# Altium PCB MercurialSDR.PcbDoc (part 1 of 6) (continued)
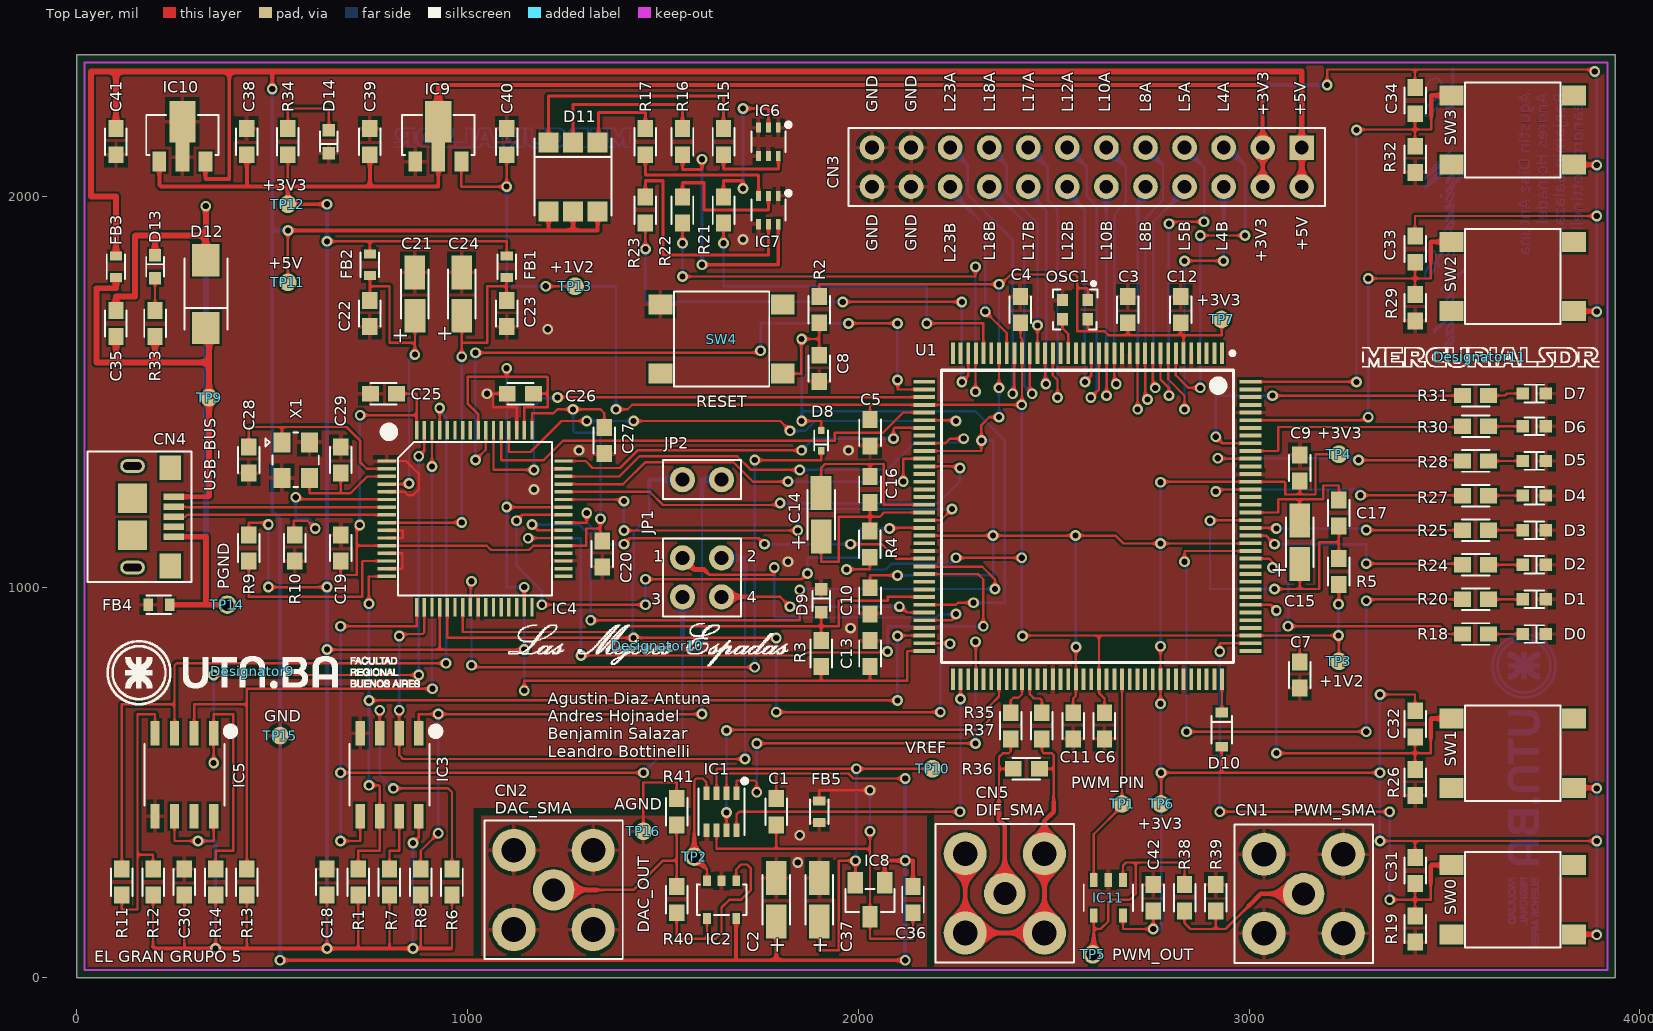
[diagram p0: Top Layer view]
## Nets (pads, with @x,y where several pads share a name; then routed paths per layer and width w, separated by ;. In a path a pad name is that pad's centre, name@x,y a point inside that pad or via, vN(x,y) a via of type N, cw(c..) or ccw(c..) an arc to the next point about the centre after c; other vN are vias at no path point)
+1V2: C4.1 C5.1 C6.1 C7.1 C40.1 IC9.3 R4.2 R5.1 TP3.1 TP13.1 U1.27 U1.40 U1.92 U1.111 | length 4902.2
  Top Layer w6: IC9.3@984.06,2088.82 984.06,2025.94 985,2025 v1(1100,2025) C40.1@1100,2106.54 ; v1(1200,1770) TP13.1@1275,1770 ; v1(1380,1455) 1410,1455 1421.54,1466.54 2031.54,1466.54 ; v1(1970,1045) 1970.6,1045.6 2029.4,1045.6 R4.2@2029.4,1076.54 ; C5.1@2030,1428.46 2030,1465 2031.54,1466.54 ; v1(2250,1075) v1(2418.46,1075) ; C4.1@2415,1676.54 2415,1640 2419.13,1635.87 U1.27@2419.13,1598.43 2419.13,1467.2 v1(2418.46,1466.54) U1.40@2169.13,1466.54 2031.54,1466.54 ; v1(2420,875) 2416.97,875 2415.98,875.98 U1.111@3003.77,875.98 3129.02,875.98 ; 2615.98,875.98 U1.92@2615.98,763.78 2615.98,729.02 2630,715 C6.1@2630,678.46 ; C7.1@3130,808.46 3130,875 3129.02,875.98 ; v1(3229.02,955.98) 3230,956.97 R5.1@3230,1006.54 ; TP3.1@3230,810 3230,875 v1(3229.02,875.98) 3129.02,875.98
  Bottom Layer w6: v1(1100,2025) 1100,1770 v1(1200,1770) 1380,1770 v1(1380,1455) ; v1(1970,1045) 2070,1045 2085,1060 2235,1060 v1(2250,1075) ; v1@2418.46,881.54 v1(2418.46,1075) v1(2418.46,1466.54) ; v1(3229.02,875.98) v1(3229.02,955.98)
+1V8: C19.1 C20.1 C25.1 C27.1 IC4.12 IC4.37 IC4.49 IC4.64 | length 2142.5
  Top Layer w6: C19.1@675,1066.54 675,1030 676.1,1031.1 716.1,1031.1 716.1,1106.1 ; v1(723.9,1158.9) 716.1,1158.9 716.1,1106.1 ; v1(725,1440) 869.46,1440 ; C25.1@818.46,1495 868.93,1495 869.46,1494.46 869.46,1440 ; IC4.64@869.46,1401.38 869.46,1440 ; IC4.49@1164.74,1401.38 1164.74,1445 1220,1445 1230,1455 v1(1270,1455) 1340,1455 1350,1445 C27.1@1350,1408.46 ; 1340,1150 1303.9,1150 1303.9,1106.1 IC4.37@1245.45,1106.1 1168.32,1106.1 1157.22,1095 1060,1095 1048.9,1106.1 IC4.12@792.69,1106.1 716.1,1106.1 ; v1(1340,1175) 1340,1128.46 C20.1@1350,1118.46
  Bottom Layer w6: v1(723.9,1158.9) 723.9,1438.9 v1(725,1440) ; v1(1270,1455) 1270,1400 1275,1395 1340,1395 v1(1340,1175)
+3V3: C3.1 C9.2 C10.2 C11.2 C12.2 C13.2 C18.2 C26.1 C30.1 C31.1 C32.1 C33.1 C34.1 C38.1 C39.1 C42.2 CN3.3 CN3.4 D10.1 FB1.1 FB2.1 IC3.8 IC4.20 IC4.31 IC4.42 IC4.50 IC4.56 IC5.6 IC5.8 IC9.2 IC10.1 IC11.5 OSC1.1 OSC1.4 R1.1 R2.1 R3.1 R6.1 R7.1 R8.2 R9.2 R12.2 R13.1 R14.1 R34.1 SW0.1 SW1.1 SW2.1 SW3.1 TP4.1 TP6.1 TP7.1 TP12.1 U1.6 U1.30 U1.46 U1.57 U1.72 U1.89 U1.100 U1.123 U1.131 | length 24985.6
  Top Layer w6: 195,80 R12.2@195,211.54 ; IC5.6@250,413.7 250,350 v1(310,350) 350,350 IC5.8@350,413.7 ; 275,75 C30.1@275,211.54 ; v1(355,75) R14.1@355,211.54 ; 435,75 R13.1@435,211.54 ; R9.2@440,1133.46 440,1165 485,1165 v1(490,1160) ; v1(490,1000) v1(640,1000) ; 540,2025 R34.1@540,2106.54 ; v1(640,75) C18.2@640,211.54 ; v1(640,840) 928.52,840 ; v1(640,1885) 750,1885 ; 720,75 R1.1@720,211.54 ; FB2.1@750,1852.56 750,1885 ; 800,75 R7.1@800,211.54 ; v1(860,345) 875,360 IC3.8@875,413.7 ; 880,75 R8.2@880,211.54 ; IC4.20@928.52,948.62 928.52,840 ; 957.5,75 960,77.5 R6.1@960,211.54 ; IC4.56@1026.94,1401.38 1026.94,1443.06 1000,1470 1000,1538.06 1203.06,1538.06 1204.95,1536.17 1204.95,1495 ; v1(1100,1205) 1100.47,1204.53 IC4.42@1245.45,1204.53 ; 1100,1538.06 v1(1100,1560) ; FB1.1@1100,1847.56 1100,1885 750,1885 ; v1(1145,735) 1145,760 1905,760 ; v1(1145,840) 928.52,840 ; IC4.31@1145,948.57 IC4.31@1145.05,948.62 v1(1145.05,999.95) ; IC4.50@1145.05,1401.38 1145.05,1460 1204.95,1460 1204.95,1495 ; C26.1@1168.46,1495 1204.95,1495 ; R2.1@1900,1743.46 1900,1775 v1(2360,1775) 2365,1775 2390,1800 2555,1800 2560,1795 2560,1765 ; R3.1@1905,796.54 1905,760 ; C13.2@2030,796.54 2030,760 ; C10.2@2030,998.46 2030,1030 v1(2100,1030) ; U1.72@2169.13,836.61 2126.61,836.61 2125,835 2125,760 2030,760 ; U1.57@2169.13,1131.89 v1(2345,1131.89) v1(2555.74,1131.89) 2658.11,1131.89 2678.46,1111.54 v1(2773.46,1111.54) 3003.11,1111.54 U1.123@3003.77,1112.2 ; U1.46@2169.13,1348.43 2315,1348.43 v1(2315,1375) 2315,1415 2335,1435 v1(2360,1435) ; v1(2360,1510) 2360,1598.35 U1.30@2360.07,1598.43 ; C11.2@2550.13,678.46 2550,678.59 2550,715 2556.92,721.92 U1.89@2556.92,763.78 v1(2556.92,846.92) ; OSC1.4@2587.48,1685.39 2587.48,1657.48 2585,1655 ; OSC1.1@2587.48,1734.61 2587.48,1762.52 2585,1765 2560,1765 ; IC11.5@2677.4,159.72 2677.4,125 v1(2755,125) C42.2@2755,171.54 ; C3.1@2690,1676.54 2690,1645 ; v1(2773.46,701.54) U1.100@2773.46,763.78 v1(2773.46,848.46) ; v1@2773.46,1269.68 U1.131@3003.77,1269.68 3090.32,1269.68 3092.8,1267.2 3092.8,1237.2 3130,1237.2 ; TP6.1@2775,450 v1(2775,525) 2930,525 ; 2825,1645 C12.2@2825,1676.54 ; U1.6@2832.51,1598.43 2832.51,1645 ; D10.1@2930,591.1 2930,525 ; TP7.1@2930,1685 2930,1645 2690,1645 ; C9.2@3130,1271.54 3130,1237.2 ; v1(3200,2285) 3200,2325 3425,2325 ; TP4.1@3230,1340 3170,1340 3170,1237.2 3130,1237.2 ; v1(3335,350) 3425,350 ; v1(3335,525) 2930,525 ; v1(3335,725) 3425,725 C32.1@3425,683.46 ; C31.1@3425,308.46 3425,350 ; C33.1@3425,1898.46 3425,1950 v1(3890,1950) ; C34.1@3425,2278.46 3425,2325 ; SW0.1@3831.5,111.42 SW0.1@3832.91,110 ; SW3.1@3831.5,2081.42 SW3.1@3832.91,2080 ; v1@3885,2325 3425,2325 ; v1@3888.58,485 v1(3890,485) ; v1@3888.58,1705 v1(3890,1705) ; v1(3890,350) 3425,350 ; 1905,760 2030,760 ; 2560,1765 2560,1655 2585,1655 ; 2585,1655 2630,1655 2640,1645 2690,1645
  Top Layer w10: 195,80 200,75 275,75 v1(355,75) 435,75 v1(640,75) 720,75 800,75 v1(860,75) 880,75 957.5,75 ; IC10.1@210.94,2088.82 210.94,2029.06 215,2025 540,2025 ; 435,2026.89 C38.1@435,2106.54 ; v1(640,1980) TP12.1@540,1980 540,2025 ; C39.1@750,2106.54 750,2025 ; IC9.2@925,2191.18 IC9.2@925,2100.63 925,2025 750,2025 ; 925,2260 925,2285 3035,2285 CN3.3@3035,2125 CN3.4@3035,2025 ; 540,2025 750,2025
  Top Layer w12: SW0.1@3831.5,111.42 v1@3888.58,111.42 ; SW1.1@3831.5,486.42 v1@3888.58,486.42 ; SW2.1@3831.5,1706.42 v1@3888.58,1706.42 ; SW3.1@3831.5,2081.42 v1@3888.58,2081.42
  Top Layer w20: IC9.2@925,2191.18 925,2260
  Bottom Layer w6: v1(490,1000) v1(490,1160) ; v1(860,75) v1(860,345) ; v1(1100,1560) v1(1100,1205) 1100,999.95 v1(1145.05,999.95) ; v1(1145,735) v1(1145,840) v1@1145,999.89 ; v1(2100,1030) 2345,1030 v1(2345,1131.89) 2345,1375 v1(2315,1375) ; v1(2360,1435) v1(2360,1510) v1(2360,1775) ; v1(2555.74,1131.89) 2556.92,1133.08 v1(2556.92,846.92) ; v1(2755,125) 2775,125 v1(2775,525) 2773.46,526.54 v1(2773.46,701.54) ; v1@2772.8,1112.2 v1(2773.46,1111.54) ; v1(2773.46,848.46) v1(2773.46,1111.54) ; v1(2773.46,1268.46) v1(2773.46,1111.54) ; v1(3335,350) v1(3335,525) v1(3335,725) ; v1(3885,2320) 3890,2325 v1(3890,2080) v1(3890,1950) v1(3890,1705) v1(3890,485) v1(3890,350) v1(3890,110)
  Bottom Layer w10: v1(310,350) 355,350 v1(355,75) ; v1(640,75) v1(640,840) v1(640,1000) v1(640,1885) v1(640,1980) ; CN3.3@3035,2125 3035,2285 v1(3200,2285)
+5V: C1.1 C2.1 C36.1 C41.1 CN3.1 CN3.2 D11.4 D11.5 D11.6 FB3.2 IC1.2 IC2.5 IC8.1 IC10.3 TP11.1 | length 10913.8
  Top Layer w6: TP11.1@540,1780 v1(540,1912.99) ; IC1.2@1662.8,472.24 1662.8,522.82 1790,522.82 ; C1.1@1790,458.46 1790,522.82 ; 1790,510 1790,522.82 ; v1(2120,510) 1987.78,510 1974.96,522.82 1790,522.82
  Top Layer w10: IC10.3@329.06,2088.82 329.06,2045.94 330,2045 390,2045 390,2320 ; v1(500,2275) 500,2320 ; v1(520,45) 1790,45 ; v1(540,1912.99) 1332.99,1912.99 D11.6@1332.99,1961.42 ; 1207.01,1915.98 D11.4@1207.01,1961.42 ; 1255.43,1912.99 1270,1912.99 D11.5@1270,1961.42 ; 1687.4,47.6 IC2.5@1687.4,151.77 ; C2.1@1790.2,144.49 1790,144.29 1790,45 ; IC8.1@2067.4,243.31 2067.4,292.4 2075,300 v1(2120,300) 2140,300 C36.1@2140,233.46 ; v1(2120,45) 1790,45
  Top Layer w15: FB3.2@100,1847.56 100,2000 35.88,2000 35.88,2320 100,2320 ; C41.1@100,2173.46 100,2320 ; CN3.2@3135,2025 CN3.1@3135,2125 3135,2320 500,2320 390,2320 100,2320
  Bottom Layer w10: v1(500,2275) 500,1915 ; v1(520,45) 520,1175 500,1195 500,1915 ; v1(540,1912.99) 502.01,1912.99 500,1915 ; v1(2120,45) v1(2120,300) v1(2120,510)
AGND: C2.2 C37.2 CN2.2 FB5.2 IC1.5 IC2.2 R41.2 TP16.1 | length 251.5
  Top Layer w6: TP16.1@1450,375 1450,500 1535,500 R41.2@1535,458.46
  other v1: 1845,295 1850,365
CDONE_S: D9.1 IC4.23 R3.2 U1.65 | length 1398.6
  Top Layer w6: IC4.23@987.57,948.62 987.57,885 1390,885 1405,900 1905,900 ; R3.2@1905,863.46 1905,900 ; D9.1@1905,935.47 1905,900 ; U1.65@2169.13,974.41 2168.54,975 2075,975 2075,965 1950,965 1950,900 1905,900
CS_S: IC4.21 JP2.2 U1.71 | length 2289.2
  Top Layer w6: IC4.21@948.2,948.62 948.2,870 v1(1425,870) v1(1790,870) ; v1(1790,680) v1(2210,680) ; U1.71@2169.13,856.3 v1@2233.7,856.3
  Bottom Layer w6: v1(1425,870) 1422.22,872.78 1422.22,1029.44 1425,1032.22 1425,1140.29 1465,1180.29 1465,1245 ; v1(1790,680) v1(1790,870) ; v1(2210,680) 2210,830 v1(2235,855)
  Bottom Layer w12: 1465,1245 1465,1275 JP2.2@1550,1275
DAC_DATA_IN: IC1.1 U1.76 | length 1147.1
  Top Layer w6: IC1.1@1688.39,472.24 1688.39,503.39 1690,505 1735,505 1740,500 v1(1740,475) ; v1@1745,600 v1(2300,600) ; v1(2300,860) 2301.02,858.98 U1.76@2301.02,763.78
  Bottom Layer w6: v1(1740,475) v1(1740,600) ; v1(2300,600) v1(2300,860)
DAC_OUT: IC1.4 IC2.3 TP2.1 | length 335.9
  Top Layer w6: 1580,360 1580,505 1585,510 1601.61,510 1611.61,500 IC1.4@1611.61,472.24 ; 1605,285 1612.6,277.4 IC2.3@1612.6,248.23
  Top Layer w12: 1580,360 TP2.1@1580,310 1605,285
DAC_SCLK: IC1.8 U1.74 | length 976.8
  Top Layer w6: IC1.8@1688.39,377.76 1688.39,418.39 1695,425 v1(2260,425) ; v1(2261.65,713.35) U1.74@2261.65,763.78 U1.74@2261.65,783.78
  Bottom Layer w6: v1(2260,425) 2261.65,426.65 v1(2261.65,713.35) v1@2260,711.7
DAC_SYNC: IC1.7 U1.79 | length 1052.7
  Top Layer w6: IC1.7@1662.8,377.76 v1(1662.8,422.8) ; v1(1662.8,632.8) 1665,635 2310,635 2335,660 2335,695 2360.07,720.07 U1.79@2360.07,763.78
  Bottom Layer w6: v1(1662.8,422.8) v1(1662.8,632.8)
GND: C1.2 C3.2 C4.2 C5.2 C6.2 C7.2 C8.2 C9.1 C10.1 C11.1 C12.1 C13.1 C18.1 C19.2 C20.2 C21.2 C22.2 C23.2 C24.2 C25.2 C26.2 C27.2 C28.2 C29.1 C30.2 C36.2 C38.2 C39.2 C40.2 C41.2 C42.1 CN1.2 CN3.21 CN3.22 CN3.23 CN3.24 D0.2 D1.2 D2.2 D3.2 D4.2 D5.2 D6.2 D7.2 D9.2 D14.2 FB4.2 FB5.1 IC1.6 IC3.4 IC4.1 IC4.5 IC4.10 IC4.11 IC4.13 IC4.15 IC4.25 IC4.35 IC4.47 IC4.51 IC5.5 IC6.1 IC6.3 IC6.4 IC6.5 IC7.1 IC7.4 IC8.3 IC9.1 IC10.2 IC11.2 OSC1.2 R10.2 R19.1 R26.1 R29.1 R32.1 R39.2 SW4.4 TP15.1 U1.5 U1.13 U1.14 U1.59 U1.69 U1.86 U1.103 U1.132 U1.140 X1.2 X1.4 | length 1857.1
  Top Layer w6: IC4.15@792.69,1047.05 832.05,1047.05 833.58,1048.58 833.58,1086.42 IC4.13@792.69,1086.42 ; IC4.11@792.69,1125.79 834.21,1125.79 834.21,1145 793.16,1145 IC4.10@792.69,1145.47 ; IC4.5@792.69,1243.9 838.89,1243.9 847.78,1235 860,1235 875,1250 875,1290 842.36,1322.64 IC4.1@792.69,1322.64 ; C26.2@1101.54,1495 1065,1495 1065,1460 1125,1460 1125.37,1459.63 IC4.51@1125.37,1401.38 ; IC1.6@1637.2,377.76 1637.2,330 1790,330 ; C1.2@1790,391.54 1790,330 ; FB5.1@1900,452.56 1900,480 v1(2030,480) ; v1(2030,375) 2030,330 ; C36.2@2140,166.54 2140,100 2030,100 IC8.3@2030,156.69 2030,330 ; 1790,330 2030,330
  Bottom Layer w6: v1(2030,375) v1(2030,480)
  other v1: 1980,895 1820,1065 1170,1250 1285,1350 1975,1350 1050,1495 1205,1660 1705,1890
MISO_ICE: JP1.1 U1.68 | length 977.7
  Top Layer w6: JP1.1@1550,1075 JP1.1@1567,1075 ; 1610,1040 1618,1032 1785,1032 v1(1785,1050) ; U1.68@2169.13,915.35 2240.35,915.35 2250.35,925.35 v1(2250.35,931.01)
  Top Layer w12: JP1.1@1550,1075 1580,1045 1605,1045 1610,1040
  Bottom Layer w6: v1(1785,1050) 1785,922.2 2200,922.2 2207.8,930 2251.37,930 v1(2250.35,931.01)
MISO_S: IC3.2 IC4.18 JP1.2 | length 1901.6
  Top Layer w6: v1(825,685) IC3.2@825,626.3 825,570 835,560 v1(1710,560) ; v1(825,875) 830,880 885,880 889.15,884.15 IC4.18@889.15,948.62
  Bottom Layer w6: v1(825,685) v1(825,875) ; v1(1710,560) 1710,1030
  Bottom Layer w12: JP1.2@1650,1075 1710,1075 1710,1030
MOSI_ICE: JP1.4 U1.67 | length 535.7
  Top Layer w6: 1725,975 1800,975 v1(1825,950) ; v1(2105,950) 2110,950 2124.96,935.04 U1.67@2169.13,935.04
  Top Layer w12: JP1.4@1650,975 1725,975
  Bottom Layer w6: v1(1825,950) v1(2105,950)
MOSI_S: IC3.5 IC4.17 JP1.3 | length 2174
  Top Layer w6: v1(675,350) 725,350 IC3.5@725,413.7 ; v1(675,525) v1(1450,525) ; v1(675,900) 870,900 870,948.08 IC4.17@869.46,948.62
  Bottom Layer w6: v1(675,350) v1(675,525) v1(675,900) ; v1(1450,525) 1550,625 1550,870
  Bottom Layer w12: 1550,870 JP1.3@1550,975
NetC8_1: C8.1 D8.1 R2.2 SW4.1 U1.66 | length 1722.5
  Top Layer w6: SW4.1@1806.5,1546.42 1853.58,1546.42 1853.58,1633.58 v1(1855,1635) 1900,1635 ; v1(1855,1425) 1905,1425 D8.1@1905,1400.98 ; C8.1@1900,1593.46 1900,1635 ; R2.2@1900,1676.54 1900,1635 ; U1.66@2169.13,954.72 2249.72,954.72 2255,960 v1(2295,960)
  Bottom Layer w6: v1(1855,1425) 1855,1450 ; v1(1855,1635) 1855,1450 ; v1(2295,960) 2375,960 2375,1375 2300,1450 1855,1450
NetC14_1: C14.1 C16.1 R4.1 U1.54 | length 520.9
  Top Layer w6: C14.1@1905.2,1129.49 1905,1129.29 1905,1065 1950,1065 1950,1180.3 2030,1180.3 ; R4.1@2030,1144.06 2030,1180.3 ; C16.1@2030,1216.54 2030,1180.3 ; U1.54@2169.13,1190.94 2065.94,1190.94 2055.3,1180.3 2030,1180.3
NetC14_2: C14.2 C16.2 U1.53 | length 468.9
  Top Layer w6: C14.2@1904.8,1240.51 1904.8,1305 1914.8,1315 2030,1315 ; C16.2@2030,1283.46 2030,1315 ; U1.53@2169.13,1210.63 2065,1210.63 2065,1315 2030,1315
NetC15_1: C15.1 C17.1 R5.2 U1.126 | length 876.7
  Top Layer w6: v1(2900,1170) 2901.26,1171.26 U1.126@3003.77,1171.26 ; v1(3065,995) v1(3065,995) 3130.04,995.04 ; C15.1@3130.04,1059.49 3130.04,995.04 ; 3179.96,1114.96 3179.96,995.04 3130.04,995.04 ; 3180,1115 3230,1115 ; R5.2@3230,1073.46 3230,1115 ; C17.1@3230,1156.54 3230,1115
  Bottom Layer w6: v1(2900,1170) 2900,995 v1(3065,995)
NetC15_2: C15.2 C17.2 U1.127 | length 385.8
  Top Layer w6: U1.127@3003.77,1190.94 3075,1190.94 3075,1224.3 3075.35,1224.65 3129.65,1224.65 ; C15.2@3129.65,1170.51 3129.65,1224.65 ; C17.2@3230,1223.46 3230,1260 3190,1260 3190,1224.65 3129.65,1224.65
NetC21_1: C21.1 C22.1 FB2.2 IC4.4 | length 817.7
  Top Layer w6: C22.1@750,1733.46 750,1770 ; FB2.2@750,1797.44 750,1770 ; IC4.4@792.69,1263.58 848.58,1263.58 v1(850,1265) ; v1(865,1595) 865,1625 ; C21.1@865.2,1694.49 865.2,1625.2 865,1625 ; 750,1770 800,1770 800,1625 865,1625
  Bottom Layer w6: v1(850,1265) 850,1580 v1(865,1595)
NetC23_1: C23.1 C24.1 FB1.2 IC4.9 | length 1040.5
  Top Layer w6: IC4.9@792.69,1165.16 v1(984.84,1165.16) ; v1(984.84,1589.84) 984.84,1624.49 985.2,1624.84 985.2,1625.2 ; C24.1@985.2,1694.49 985.2,1625.2 ; C23.1@1100,1733.46 1100,1770 ; FB1.2@1100,1792.44 1100,1770 ; 985.2,1625.2 985.39,1625 1050,1625 1050,1770 1100,1770
  Bottom Layer w6: v1(984.84,1165.16) v1(984.84,1589.84)
NetC28_1: C28.1 IC4.2 X1.1 | length 520.1
  Top Layer w6: C28.1@440,1358.46 440,1410 525,1410 ; X1.1@525,1370.71 525,1410 ; IC4.2@792.69,1302.95 742.05,1302.95 725,1320 725,1375 690,1410 525,1410
NetC29_2: C29.2 IC4.3 X1.3 | length 305.6
  Top Layer w6: X1.3@595.43,1279.72 595.43,1240.43 674.57,1240.43 ; C29.2@675,1291.54 675,1240.87 674.57,1240.43 ; IC4.3@792.69,1283.27 743.27,1283.27 700.43,1240.43 674.57,1240.43
NetC31_2: C31.2 R19.2 SW0.4 U1.110 | length 1555.6
  Top Layer w6: v1(2925,425) v1(3360,425) ; v1(2925,835) 2925,855 2926.3,856.3 U1.110@3003.77,856.3 ; v1(3360,200) 3425,200 ; R19.2@3425,158.46 3425,200 ; C31.2@3425,241.54 3425,200 ; 3465,243.58 3465,200 3425,200 ; 3465,287.17 3465,290 3517.09,290 SW0.4@3518.5,288.58
  Top Layer w12: 3465,243.58 3465,287.17 3466.42,288.58 SW0.4@3518.5,288.58
  Bottom Layer w6: v1(2925,425) v1(2925,835) ; v1(3360,200) v1(3360,425)
NetC32_2: C32.2 R26.2 SW1.4 U1.115 | length 1056.7
  Top Layer w6: U1.115@3003.77,954.72 3055.28,954.72 v1(3070,940) ; v1(3070,575) 3425,575 ; R26.2@3425,533.46 3425,575 ; C32.2@3425,616.54 3425,575 ; 3465,615 3465,575 3425,575
  Top Layer w12: 3465,615 3465,662.17 3466.42,663.58 SW1.4@3518.5,663.58
  Bottom Layer w6: v1(3070,575) v1(3070,940)
NetC33_2: C33.2 R29.2 SW2.4 U1.139 | length 1048.8
  Top Layer w6: U1.139@3003.77,1427.17 3297.17,1427.17 v1(3305,1435) ; v1(3305,1790) 3425,1790 ; R29.2@3425,1748.46 3425,1790 ; C33.2@3425,1831.54 3425,1790 ; 3465,1835 3465,1790 3425,1790
  Top Layer w12: 3465,1835 3465,1882.17 3466.42,1883.58 SW2.4@3518.5,1883.58
  Bottom Layer w6: v1(3305,1435) v1(3305,1790)
NetC34_2: C34.2 R32.2 SW3.4 U1.144 | length 1330.8
  Top Layer w6: U1.144@3003.77,1525.59 3274.41,1525.59 v1(3275,1525) ; v1(3275,2170) 3276.42,2171.42 3425,2171.42 ; R32.2@3425,2128.46 3425,2171.42 ; C34.2@3425,2211.54 3425,2171.42 ; 3466.42,2206.42 3466.42,2171.42 3425,2171.42
  Top Layer w12: 3466.42,2206.42 3466.42,2258.58 SW3.4@3518.5,2258.58
  Bottom Layer w6: v1(3275,1525) v1(3275,2170)
NetCN1_1: CN1.1 R38.2 R39.1 | length 426.3
  Top Layer w6: R38.2@2835,171.54 2835,140 2850,125 2915,125 ; R39.1@2915,171.54 2915,125 ; 3000,185 2940,125 2915,125
  Top Layer w12: 3000,185 3030,215 CN1.1@3139.73,215
NetCN2_1: CN2.1 R40.2 R41.1 | length 504.1
  Top Layer w6: 1330,225 1425,225 1500,300 1535,300 ; R40.2@1535,233.46 1535,300 ; R41.1@1535,391.54 1535,300
  Top Layer w12: CN2.1@1220,225 1330,225
NetCN3_5: CN3.5 U1.7 | length 890.4
  Top Layer w6: U1.7@2812.83,1598.43 2812.83,1542.17 2845,1510 v1(2875,1510) ; v1(2875,1900) v1(2990,1900)
  Bottom Layer w6: v1(2875,1510) v1(2875,1900) ; 2980,2090 2990,2080 v1(2990,1900)
  Bottom Layer w12: CN3.5@2935,2125 2945,2125 2980,2090
NetCN3_6: CN3.6 U1.8 | length 830.8
  Top Layer w6: U1.8@2793.14,1598.43 2793.14,1531.86 2835,1490 v1(2835,1455) ; v1(2835,1835) v1(2935,1835)
  Bottom Layer w6: v1(2835,1455) v1(2835,1835) ; v1(2935,1835) 2935,1950
  Bottom Layer w12: 2935,1950 CN3.6@2935,2025
NetCN3_7: CN3.7 U1.9 | length 860.1
  Top Layer w6: U1.9@2773.46,1598.43 2773.46,1531.54 2795,1510 v1(2795,1490) ; v1(2795,1930) 2800,1935 v1(2885,1935)
  Bottom Layer w6: v1(2795,1490) v1(2795,1930) ; 2870,2090 2885,2075 v1(2885,1935)
  Bottom Layer w12: CN3.7@2835,2125 2870,2090
NetCN3_8: CN3.8 U1.10 | length 641.2
  Top Layer w6: U1.10@2753.77,1598.43 2753.77,1516.23 v1(2760,1510)
  Bottom Layer w6: v1(2760,1510) 2755,1515 2755,1935 2795,1975
  Bottom Layer w12: 2795,1975 2835,2015 CN3.8@2835,2025
NetCN3_9: CN3.9 U1.11 | length 805.2
  Top Layer w6: U1.11@2734.09,1598.43 2734.09,1485.91 v1(2740,1480)
  Bottom Layer w6: v1(2740,1480) 2735,1485 2735,1945 2780,1990 2780,2080 2770,2090
  Bottom Layer w12: CN3.9@2735,2125 2770,2090
NetCN3_10: CN3.10 U1.12 | length 722
  Top Layer w6: U1.12@2714.4,1598.43 2714.4,1455.6 v1(2715,1455)
  Bottom Layer w6: v1(2715,1455) 2715,1945
  Bottom Layer w12: 2715,1945 2715,1980 2735,2000 CN3.10@2735,2025
NetCN3_11: CN3.11 U1.15 | length 720.6
  Top Layer w6: U1.15@2655.35,1598.43 2655.35,1524.65 v1(2660,1520)
  Bottom Layer w6: v1(2660,1520) 2655,1525 2655,1955 2685,1985 2685,2075 2675,2085
  Bottom Layer w12: CN3.11@2635,2125 2675,2085
NetCN3_12: CN3.12 U1.16 | length 643.7
  Top Layer w6: v1(2635,1490) 2635.66,1490.66 U1.16@2635.66,1598.43
  Bottom Layer w6: v1(2635,1490) 2635,1970
  Bottom Layer w12: 2635,1970 CN3.12@2635,2025
NetCN3_13: CN3.13 U1.17 | length 799.4
  Top Layer w6: v1(2595,1485) 2615.98,1505.98 U1.17@2615.98,1598.43
  Bottom Layer w6: 2570,2090 2585,2075 2585,2000 2610,1975 2610,1500 v1(2595,1485)
  Bottom Layer w12: CN3.13@2535,2125 2570,2090
NetCN3_14: CN3.14 U1.18 | length 598.8
  Top Layer w6: v1(2580,1525) 2596.29,1541.29 U1.18@2596.29,1598.43
  Bottom Layer w6: CN3.14@2535,2010 CN3.14@2535,2025 ; 2570,1975 2580,1965 v1(2580,1525)
  Bottom Layer w12: CN3.14@2535,2010 2570,1975
NetCN3_15: CN3.15 U1.23 | length 789.5
  Top Layer w6: U1.23@2497.87,1598.43 2497.87,1542.13 2510,1530 v1(2510,1485)
  Bottom Layer w6: 2475,2085 2485,2075 2485,1990 2510,1965 v1(2510,1485)
  Bottom Layer w12: CN3.15@2435,2125 2475,2085
NetCN3_16: CN3.16 U1.24 | length 603.9
  Top Layer w6: U1.24@2478.18,1598.43 2478.18,1521.82 v1(2480,1520)
  Bottom Layer w6: CN3.16@2435,2010 CN3.16@2435,2025 ; 2465,1980 2481.28,1963.72 2481.28,1521.28 v1(2480,1520)
  Bottom Layer w12: CN3.16@2435,2010 2465,1980
NetCN3_17: CN3.17 U1.25 | length 576.3
  Top Layer w6: U1.25@2458.5,1598.43 v1(2458.5,1670)
  Bottom Layer w6: 2370,2090 2380,2080 2380,2010 2457.5,1932.5 ; v1(2458.5,1670) 2458.5,1931.5
  Bottom Layer w12: CN3.17@2335,2125 2370,2090
NetCN3_18: CN3.18 U1.26 | length 681.6
  Top Layer w6: U1.26@2438.81,1598.43 2438.81,1501.19 v1(2445,1495)
  Bottom Layer w6: 2385,1975 2425,1935 2425,1515 v1(2445,1495)
  Bottom Layer w12: CN3.18@2335,2025 2385,1975
NetCN3_19: CN3.19 U1.28 | length 801.5
  Top Layer w6: v1(2395,1495) 2399.44,1499.44 U1.28@2399.44,1598.43
  Bottom Layer w6: 2270,2090 2280,2080 2280,2005 2395,1890 v1(2395,1495)
  Bottom Layer w12: CN3.19@2235,2125 2270,2090
NetCN3_20: CN3.20 U1.29 | length 486.5
  Top Layer w6: v1(2325,1705) 2379.76,1650.24 U1.29@2379.76,1598.43
  Bottom Layer w6: CN3.20@2235,2015 CN3.20@2235,2025 ; 2285,1965 2325,1925 v1(2325,1705)
  Bottom Layer w12: CN3.20@2235,2015 2285,1965
NetD0_1: D0.1 R18.1 | length 87
  Top Layer w6: R18.1@3613.46,880 D0.1@3700.47,880
NetD1_1: D1.1 R20.1 | length 87
  Top Layer w6: R20.1@3613.46,968.57 D1.1@3700.47,968.57
NetD2_1: D2.1 R24.1 | length 87
  Top Layer w6: R24.1@3613.46,1057.14 D2.1@3700.47,1057.14
NetD3_1: D3.1 R25.1 | length 87
  Top Layer w6: R25.1@3613.46,1145.71 D3.1@3700.47,1145.71
NetD4_1: D4.1 R27.1 | length 87
  Top Layer w6: R27.1@3613.46,1234.29 D4.1@3700.47,1234.29
NetD5_1: D5.1 R28.1 | length 87
  Top Layer w6: R28.1@3613.46,1322.86 D5.1@3700.47,1322.86
NetD6_1: D6.1 R30.1 | length 87
  Top Layer w6: R30.1@3613.46,1411.43 D6.1@3700.47,1411.43
NetD7_1: D7.1 R31.1 | length 89.1
  Top Layer w6: R31.1@3613.46,1490.38 3655.38,1490.38 3660.5,1495.5 D7.1@3700.47,1495.5
NetD10_2: D10.2 U1.108 | length 85.3
  Top Layer w6: D10.2@2930,678.9 2930.94,679.84 U1.108@2930.94,763.78
NetD11_1: D11.1 R17.1 | length 238.8
  Top Layer w8: D11.1@1332.99,2138.58 1335,2140.59 1335,2215 1455,2215 R17.1@1455,2173.46
NetD11_2: D11.2 R16.1 | length 438
  Top Layer w8: D11.2@1270,2138.58 1270,2235 1550,2235 R16.1@1550,2173.46
NetD11_3: D11.3 R15.1 | length 650
  Top Layer w8: D11.3@1207.01,2138.58 1207.01,2257.01 1655,2257.01 R15.1@1655,2173.46
NetD13_1: D13.1 R33.2 | length 82
  Top Layer w6: R33.2@200,1708.46 D13.1@200,1790.47
NetD14_1: D14.1 R34.2 | length 212
  Top Layer w6: R34.2@540,2173.46 540,2225 645,2225 D14.1@645,2169.53
NetIC2_1: IC2.1 IC2.4 R40.1 | length 529.3
  Top Layer w6: R40.1@1535,166.54 1535,100 1612.6,100 ; IC2.4@1612.6,151.77 1612.6,100 ; IC2.1@1687.4,248.23 1687.4,277.4 1700,290 1715,290 1725,280 1725,225 1700,200 1670,200 1650,180 1650,115 1635,100 1612.6,100
NetIC3_1: IC3.1 JP2.1 R8.1 | length 1838.9
  Top Layer w6: IC3.1@875,626.3 875,675 v1(925,675) v1(1600,675) ; R8.1@880,278.46 880,325 v1(925,370)
  Bottom Layer w6: v1(925,370) v1(925,675) ; v1(1600,675) 1600,1230
  Bottom Layer w12: 1600,1230 1600,1275 JP2.1@1650,1275
NetIC3_3: IC3.3 R6.2 | length 623.9
  Top Layer w6: IC3.3@775,626.3 v1(775,685) ; v1(810,485) 950,485 960,475 R6.2@960,278.46
  Bottom Layer w6: v1(775,685) 775,520 v1(810,485)
NetIC3_7: IC3.7 R7.2 | length 160.2
  Top Layer w6: R7.2@800,278.46 800,325 825,325 IC3.7@825,413.7
NetIC4_6: IC4.6 R10.1 | length 460.1
  Top Layer w6: R10.1@557.5,1133.46 555,1135.96 555,1170 590,1170 v1(610,1150) ; v1(560,1230) 560,1225 791.9,1225 IC4.6@792.69,1224.21
  Bottom Layer w6: v1(560,1230) 560,1175 595,1175 610,1160 v1(610,1150)
NetIC4_14: IC4.14 R9.1 | length 534.9
  Top Layer w6: R9.1@440,1066.54 440,975 730,975 730,1065 731.73,1066.73 IC4.14@792.69,1066.73
NetIC4_38: IC4.38 U1.62 | length 1901.4
  Top Layer w6: v1(1155,1125) 1155.79,1125.79 IC4.38@1245.45,1125.79 ; v1(1290,825) 1860,825 1867.61,832.61 2053.5,832.61 2055.88,835 v1(2075,835) ; U1.62@2169.13,1033.46 2306.54,1033.46 2320,1020 v1(2320,900)
  Bottom Layer w6: v1(1155,1125) 1290,1125 v1(1290,825) ; v1(2075,835) 2075,900 v1(2320,900)
NetIC4_39: IC4.39 U1.61 | length 1799.2
  Top Layer w6: v1(1165,1160) 1179.53,1145.47 IC4.39@1245.45,1145.47 ; v1(1315,915) 1850,915 v1(1850,992.5) ; U1.61@2169.13,1053.15 2170.06,1052.22 2317.2,1052.22 2350,1019.42 v1(2350,995)
  Bottom Layer w6: v1(1165,1160) 1285,1160 1315,1130 v1(1315,915) ; v1(1850,992.5) 1850,995 1851.3,996.3 1852.6,995 v1(2350,995)
NetIC4_40: IC4.40 U1.60 | length 1024
  Top Layer w6: IC4.40@1245.45,1165.16 1304.84,1165.16 1305,1165.32 v1(1305,1190) ; v1(1400,1110) 1415,1125 1745,1125 v1(1760,1110) ; v1(1980,1110) 2060,1110 2097.17,1072.83 U1.60@2169.13,1072.83
  Bottom Layer w6: v1(1305,1190) 1305,1165 1360,1110 v1(1400,1110) ; v1(1760,1110) v1(1980,1110)
NetIC4_41: IC4.41 U1.56 | length 1539.5
  Top Layer w6: v1(1125,1170) 1139.84,1184.84 IC4.41@1245.45,1184.84 ; v1(1190,955) v1(1455,955) ; v1(1455,1020) 1855,1020 v1(1870,1035) ; v1(2080,1150) 2081.57,1151.57 U1.56@2169.13,1151.57
  Bottom Layer w6: v1@1125,1175 v1(1125,1170) 1125,1055 1190,990 v1(1190,955) ; v1(1455,955) v1(1455,1020) ; v1(1870,1035) 1870,1075 2005,1075 2005,1150 v1(2080,1150)
NetIC4_43: IC4.43 U1.55 | length 1209.1
  Top Layer w6: IC4.43@1245.45,1224.21 1395.79,1224.21 v1(1400,1220) ; v1(1400,1145) v1(1845,1145) ; U1.55@2169.13,1171.26 2211.26,1171.26 v1(2240,1200)
  Bottom Layer w6: v1(1400,1145) v1(1400,1220) ; v1(1845,1145) 1845,1200 v1(2240,1200)
NetIC4_44: IC4.44 U1.48 | length 1191
  Top Layer w6: IC4.44@1245.45,1243.9 1466.1,1243.9 1500,1210 1805,1210 v1(1800,1215) ; U1.48@2169.13,1309.06 2255.94,1309.06 v1(2260,1305)
  Bottom Layer w6: v1(1800,1215) 2205,1215 2260,1270 v1(2260,1305)
NetIC4_45: IC4.45 U1.47 | length 1026.5
  Top Layer w6: IC4.45@1245.45,1263.58 1398.58,1263.58 1455,1320 1680,1320 1730,1270 v1(1820,1270) ; v1(2115,1270) 2115,1328.74 U1.47@2169.13,1328.74
  Bottom Layer w6: v1(1820,1270) v1(2115,1270)
NetIC4_46: IC4.46 U1.45 | length 1199.4
  Top Layer w6: IC4.46@1245.45,1283.27 1388.27,1283.27 1440,1335 1690,1335 1725,1300 v1(1850,1300) ; U1.45@2169.13,1368.11 2223.11,1368.11 2235,1380 v1(2270,1380)
  Bottom Layer w6: v1(1850,1300) 2075,1300 2145,1370 2260,1370 v1(2270,1380)
NetIC4_48: IC4.48 U1.43 | length 988.1
  Top Layer w6: IC4.48@1245.45,1322.64 1302.36,1322.64 1320,1305 1390,1305 1435,1350 v1(1855,1350) ; v1(2090,1380) 2090,1404.96 2092.52,1407.48 U1.43@2169.13,1407.48
  Bottom Layer w6: v1(1855,1350) 1885,1380 v1(2090,1380)
NetIC4_52: IC4.52 U1.42 | length 1335.3
  Top Layer w6: IC4.52@1105.68,1401.38 1105.68,1345.68 1160.68,1345.68 1240,1425 v1(1305,1425) ; v1(1425,1425) 1800,1425 v1(1825,1400) ; U1.42@2169.13,1427.17 2247.83,1427.17 v1(2250,1425)
  Bottom Layer w6: v1(1305,1425) v1(1425,1425) ; v1(1825,1400) 1865,1400 1890,1425 v1(2250,1425)
NetIC4_53: IC4.53 U1.41 | length 1221.1
  Top Layer w6: IC4.53@1086,1401.38 1086,1326 1087,1325 1195,1325 1245,1375 1940,1375 1940,1395 2063.07,1395 2114.92,1446.85 U1.41@2169.13,1446.85